# Altium PCB PCB_SAMARUC_7.PcbDoc (part 1 of 3) (continued)
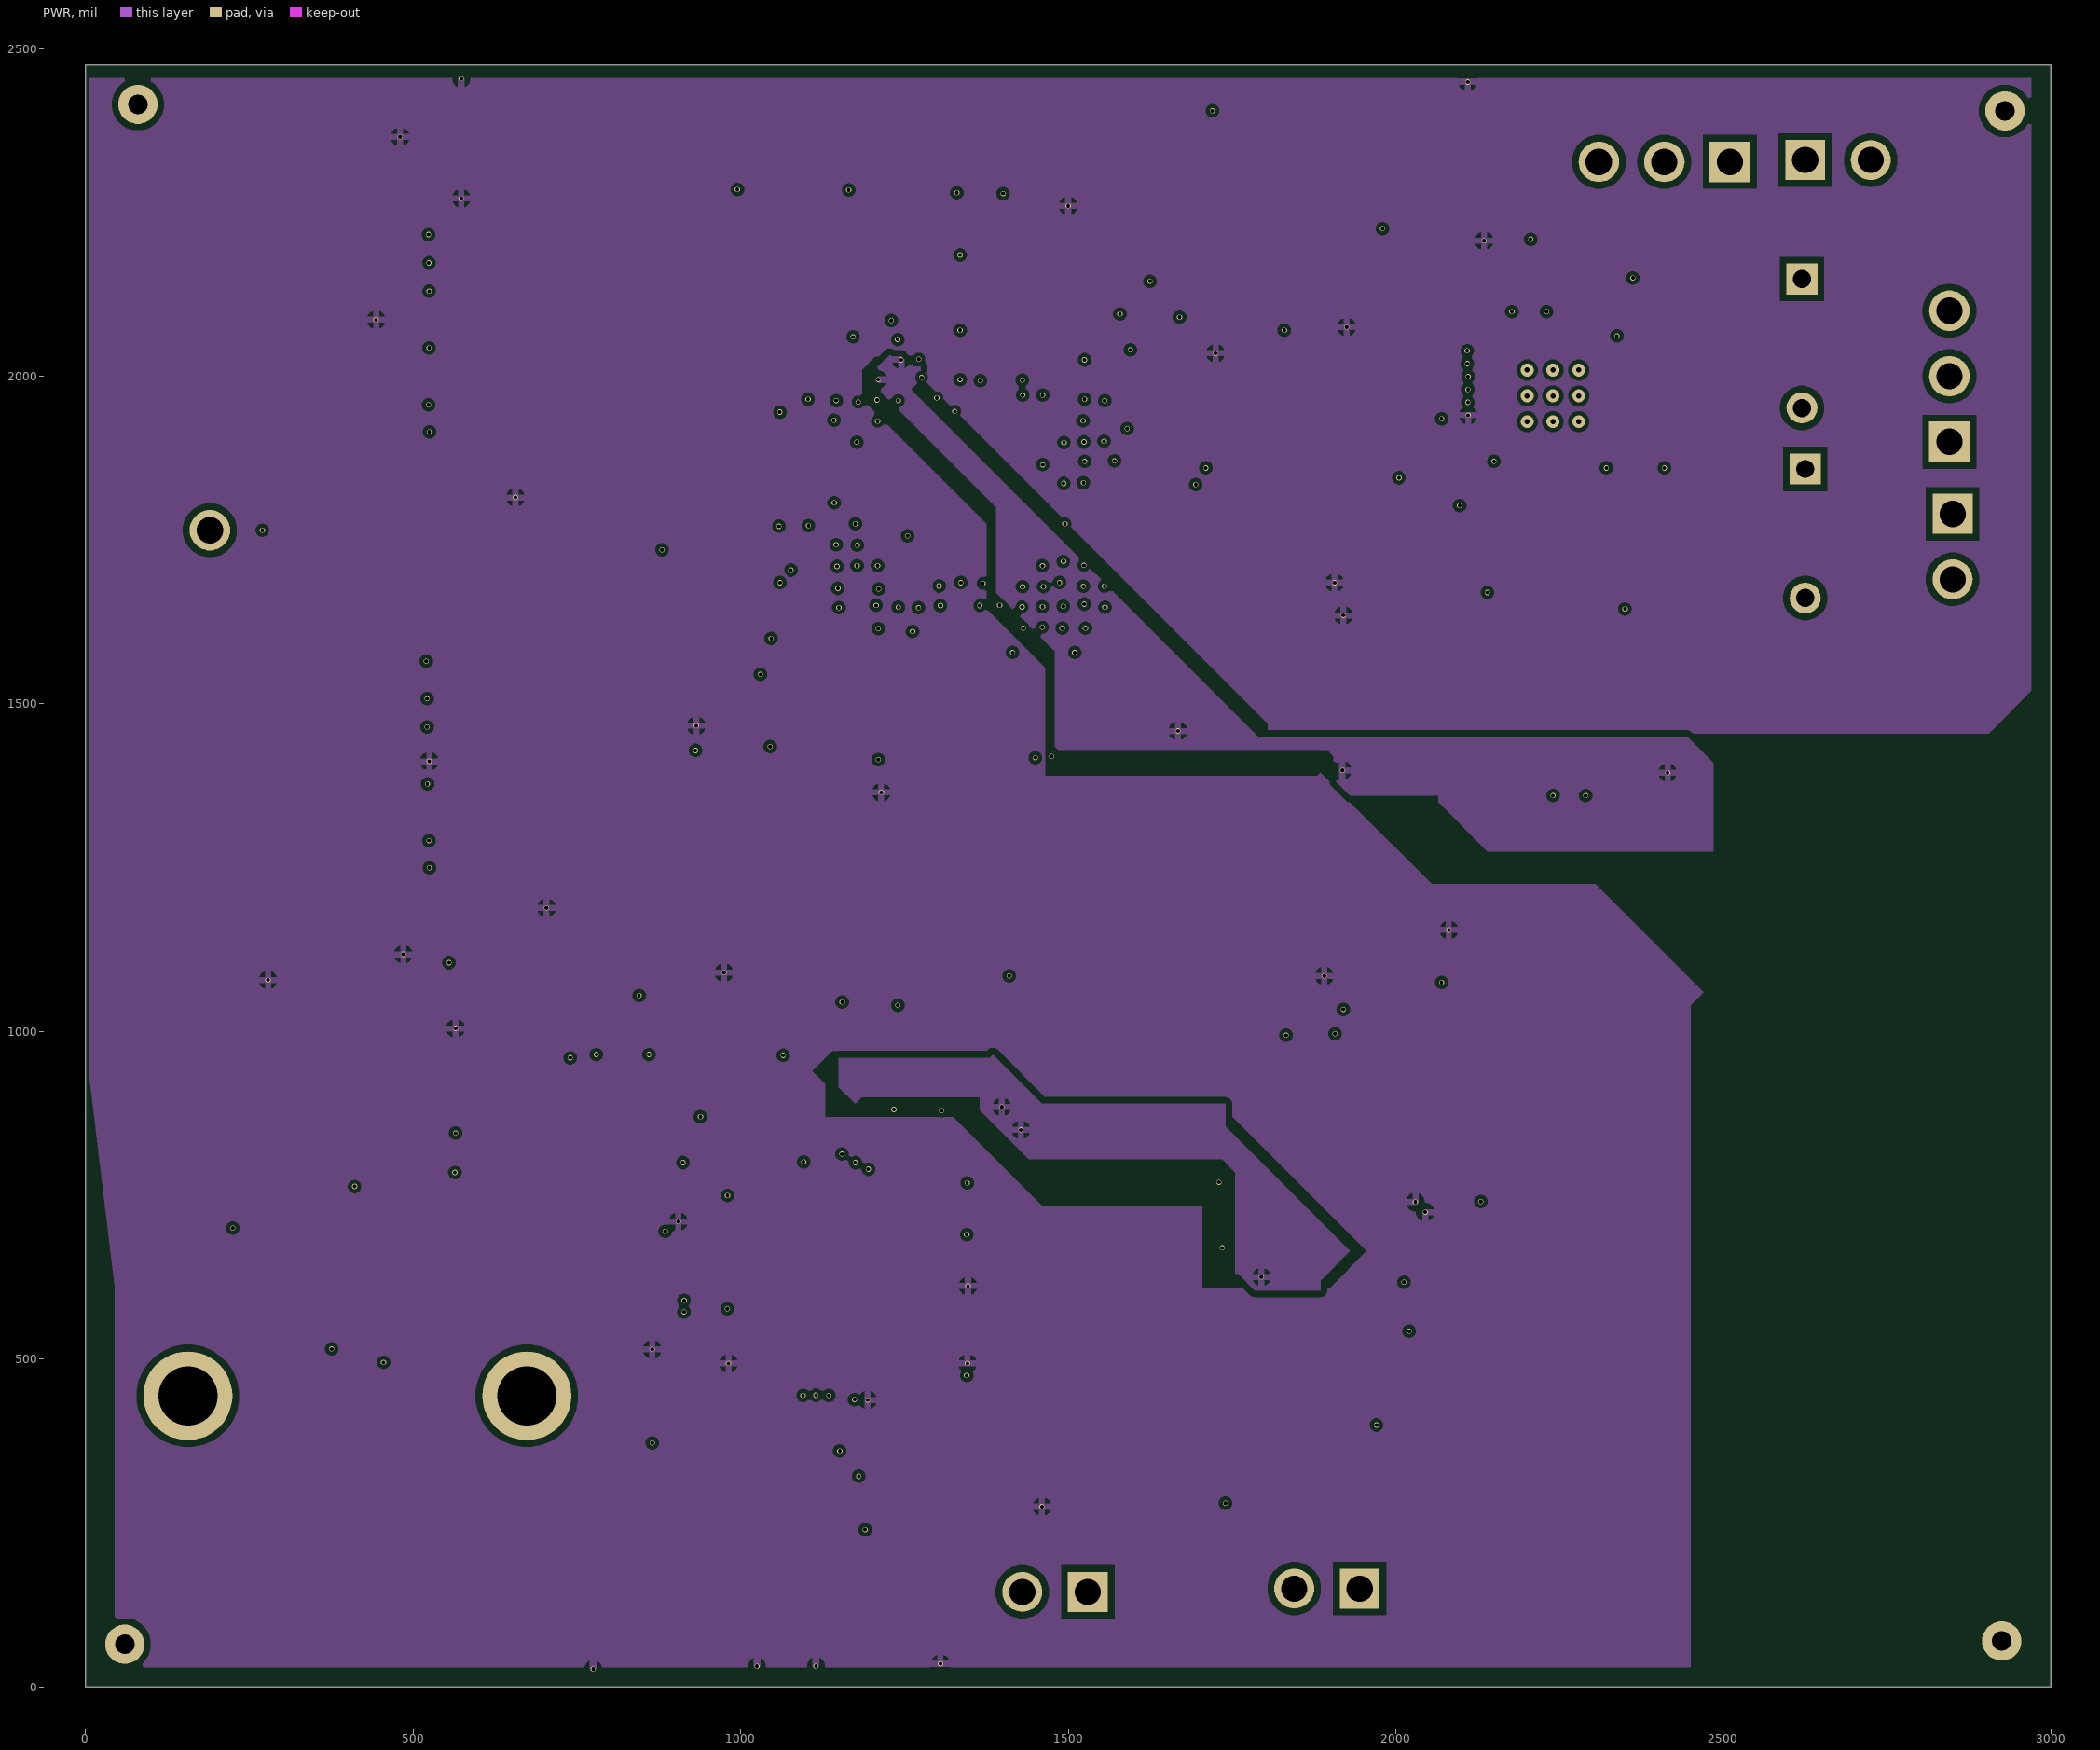
[diagram p3: PWR]
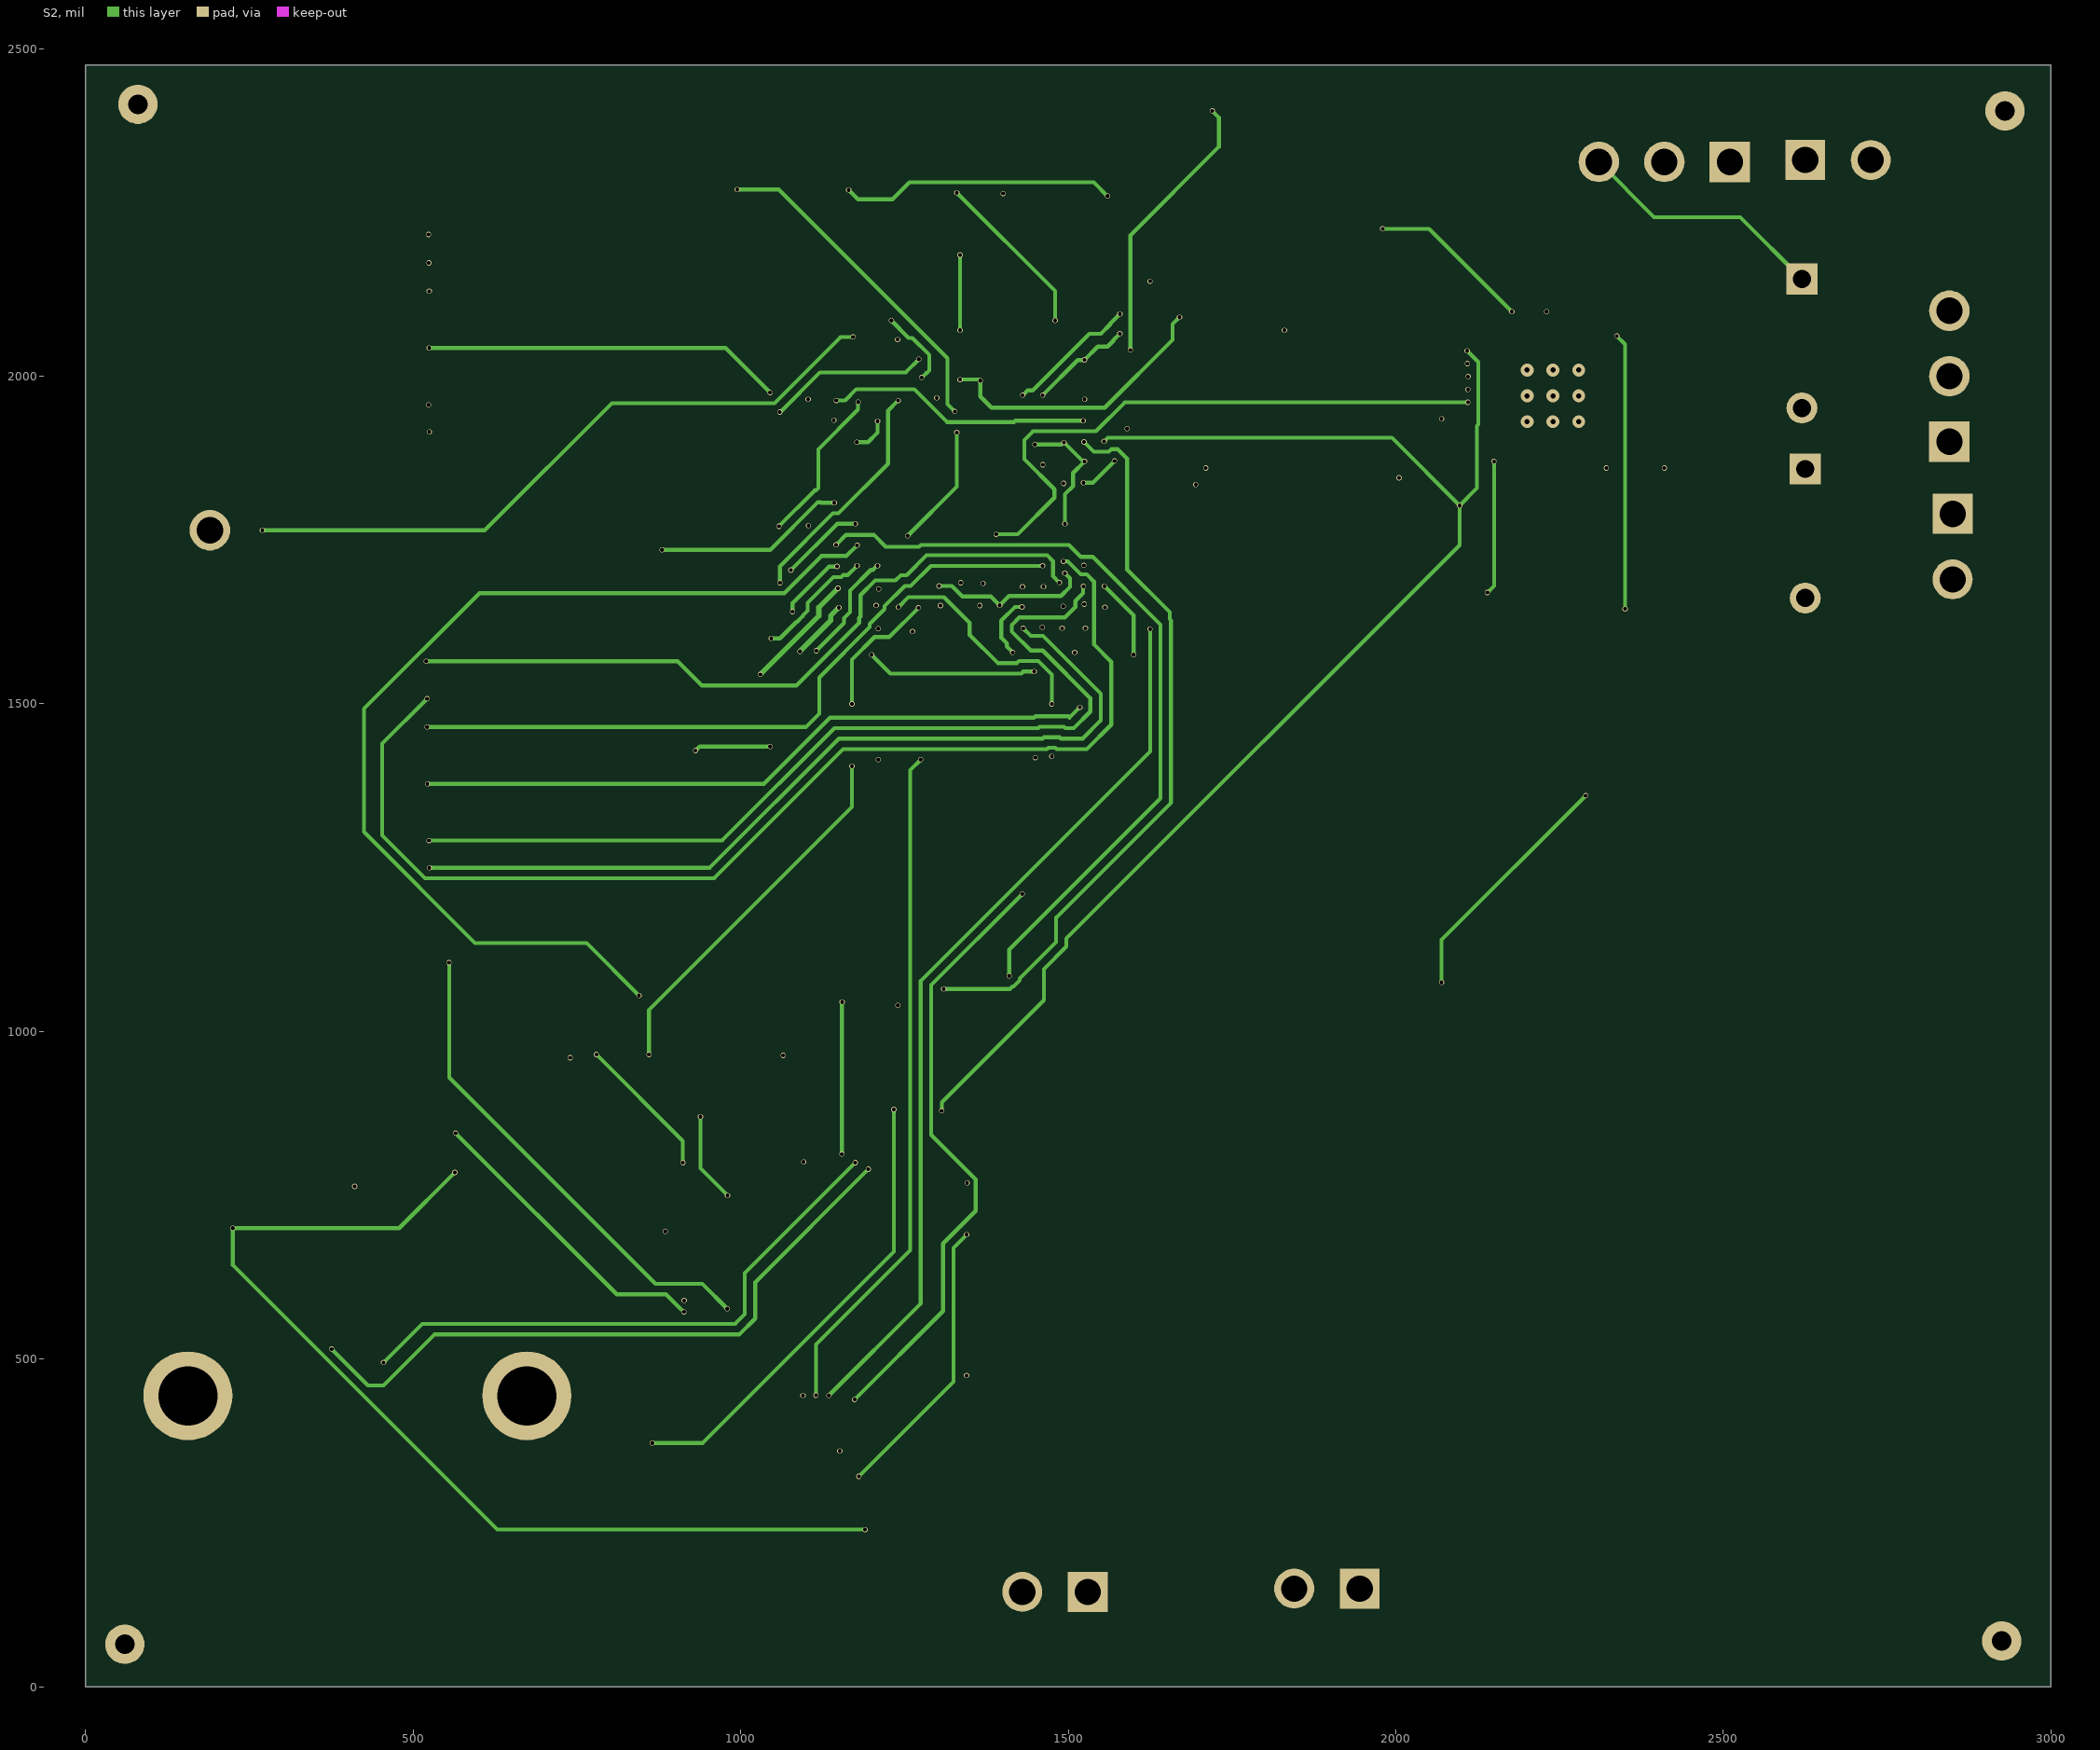
[diagram p4: S2]
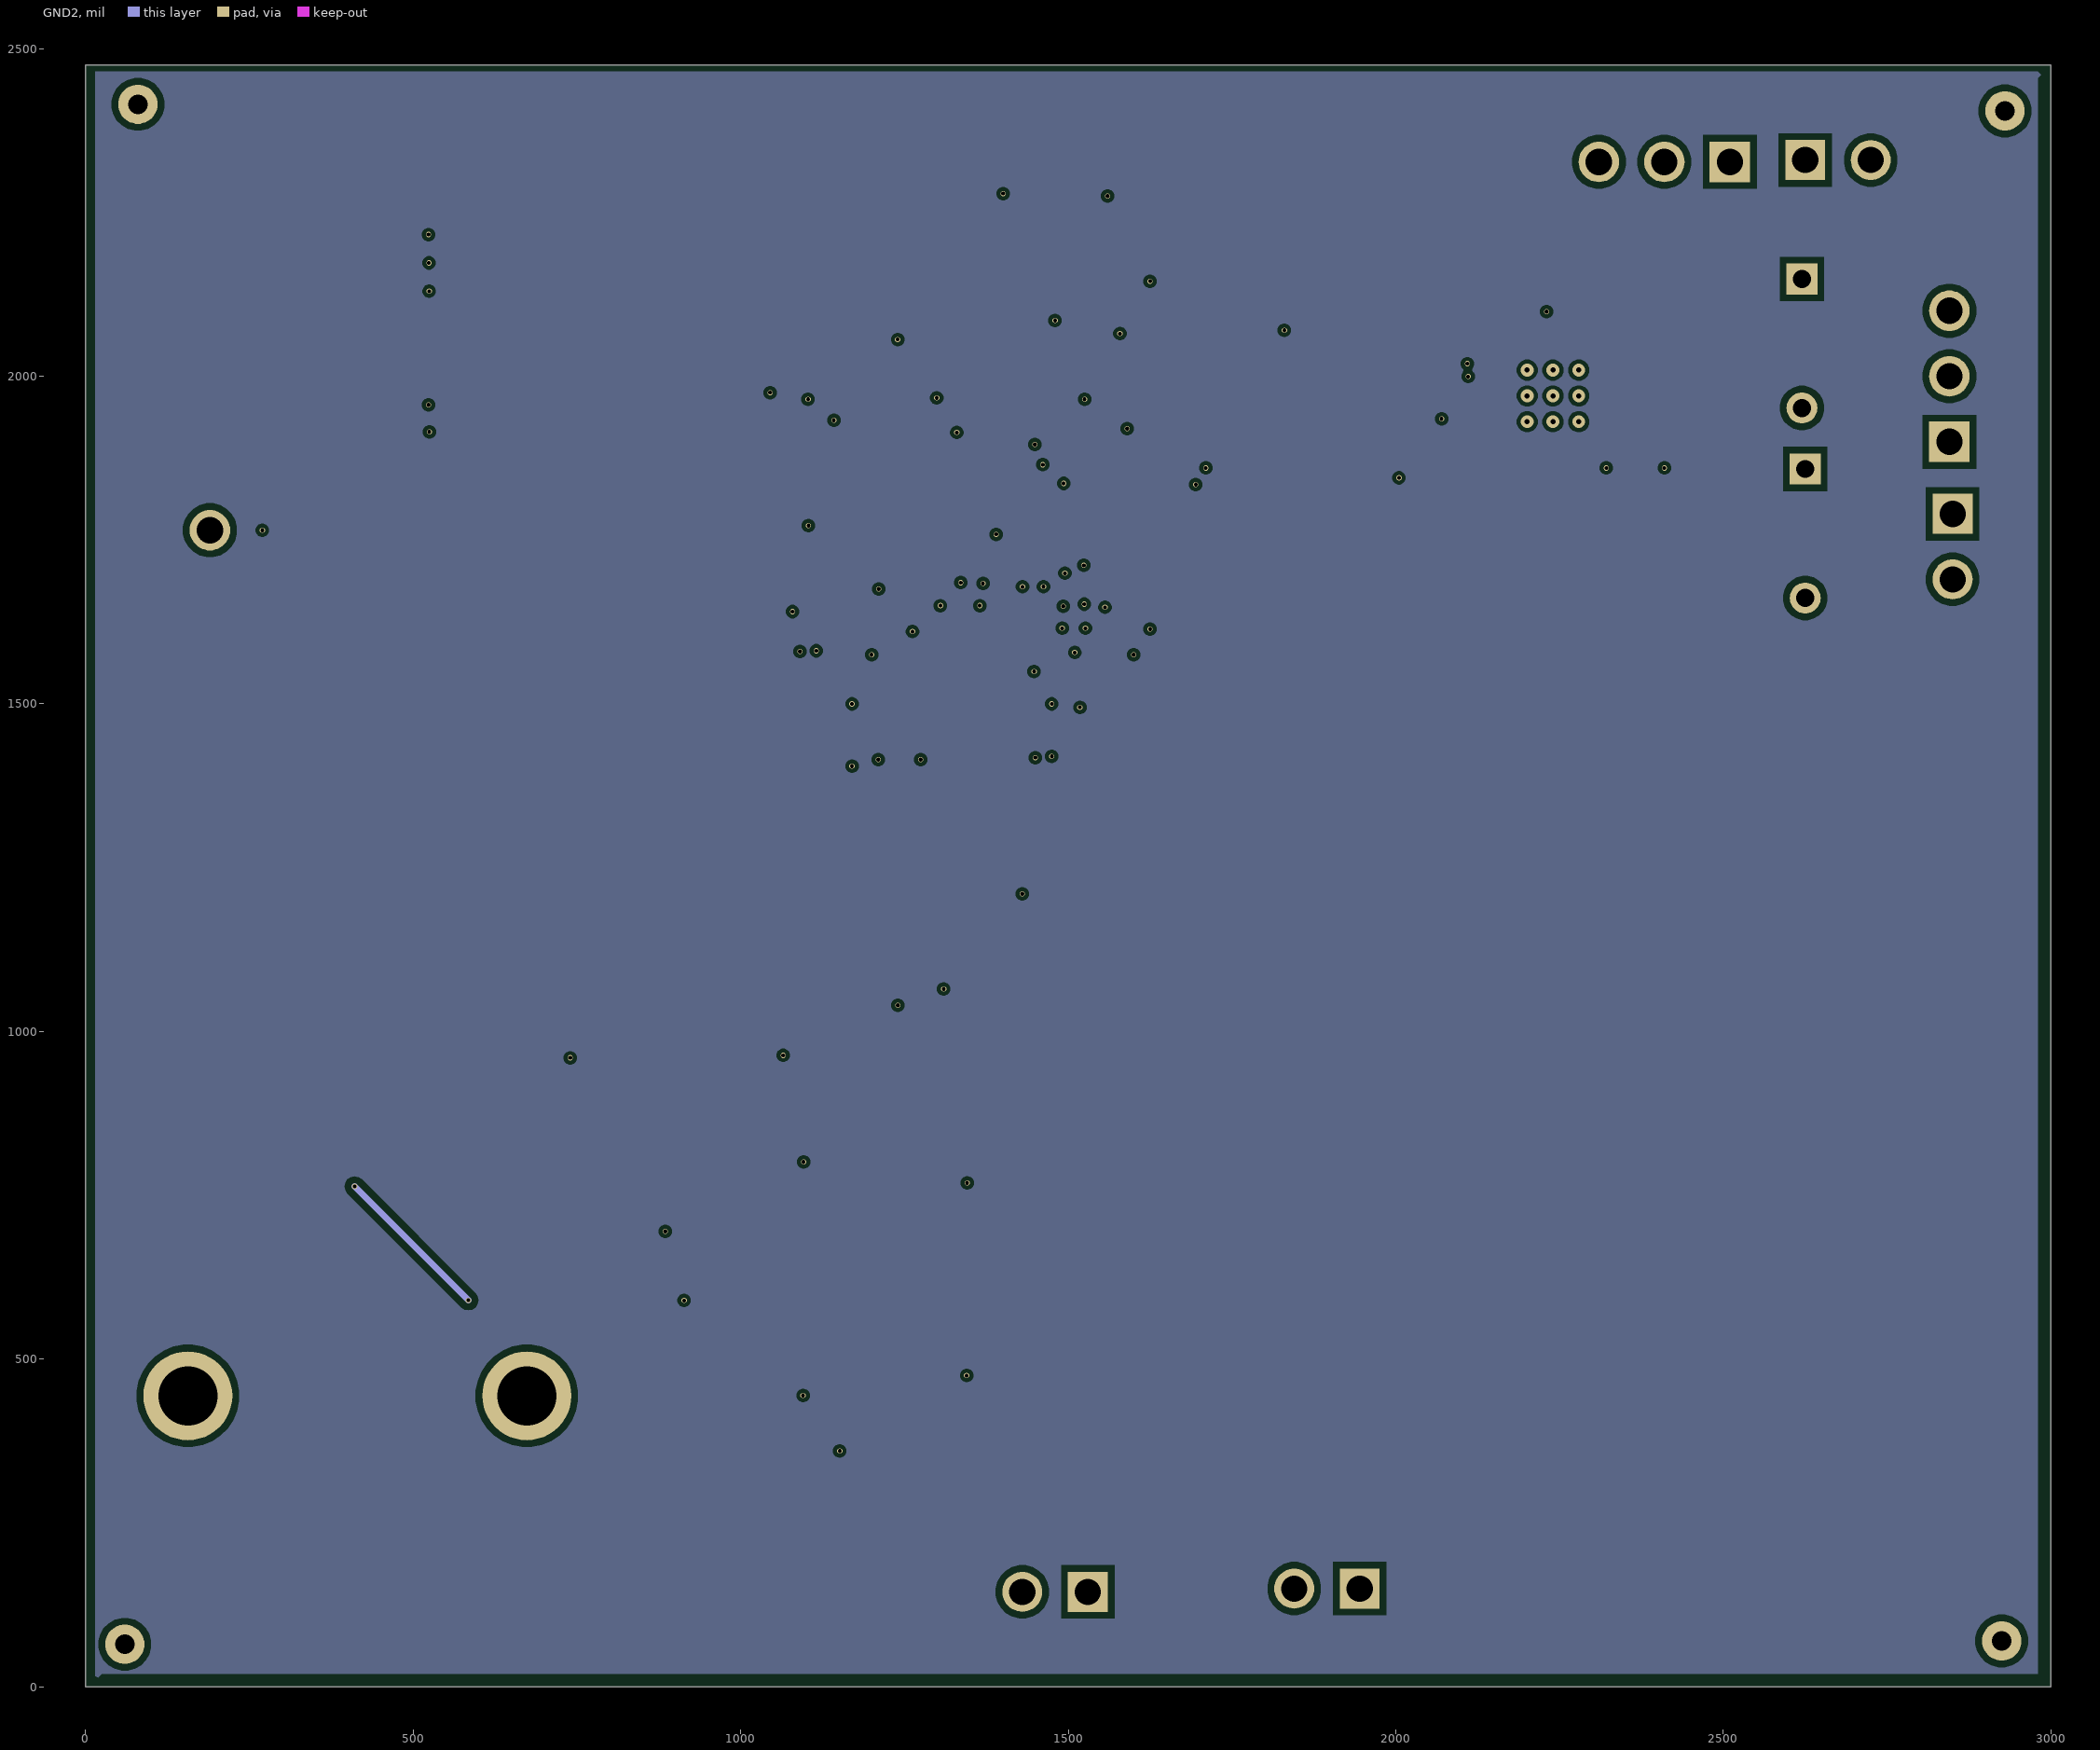
[diagram p5: GND2]

## Layer stack, top to bottom
Top Solder: solder mask 0.4, SM-001, Dk 4
Top (S1): signal copper 1.4
Dielectric 1: prepreg 8, PP-006, Dk 4.1
GND1: signal copper 1.378
Dielectric 2: core 15, Core-035, Dk 4.7
PWR: signal copper 1.378
Dielectric 3: prepreg 4, PP-006, Dk 4.1
Dielectric 4: prepreg 4, PP-006, Dk 4.1
S2: signal copper 1.378
Dielectric 5: core 15, Core-035, Dk 4.7
GND2: signal copper 1.378
Dielectric 6: prepreg 8, PP-006, Dk 4.1
Bottom (S3): signal copper 1.4
Bottom Solder: solder mask 0.4, SM-001, Dk 4

## Board outline
0,0 3000,0 3000,2475 0,2475

## Design rules (kind name [scope] priority, off if disabled: settings)
Clearance Clearance_BGA_via [IsVia] p1: gap=6 ignorepadtopadclearanceinfootprint=FALSE
Clearance Clearance_BGA [InComponent('IC1')] p2: gap=6 ignorepadtopadclearanceinfootprint=FALSE
Clearance Clearance_U9 [InComponent('U9')] p3: gap=7.8 ignorepadtopadclearanceinfootprint=FALSE
Clearance Clearance_XDS100 [InComponent('U7')] p4: gap=6 ignorepadtopadclearanceinfootprint=FALSE
Clearance Clearance_Codec [InComponent('U1')] p5: gap=8.5 ignorepadtopadclearanceinfootprint=FALSE
Clearance Clearance_SD [InComponent('SD1_U_uSD_Card2','SD1_U_uSD_Card1')] p6: gap=9.8 ignorepadtopadclearanceinfootprint=FALSE
Clearance Clearance_1 [All] p7: gap=10 ignorepadtopadclearanceinfootprint=FALSE except(0: Arc-Hole Track-Hole SMDPad-Hole THPad-Hole Via-Hole Fill-Hole Poly-Hole Region-Hole Text-Hole)
PlaneClearance [All] p1: clearance=6
PolygonConnect [All] p1: connectstyle=Relief reliefconductorwidth=10 reliefentries=4 polygonreliefangle="90 Angle" airgapwidth=10
RoomDefinition U_dsp_power [InComponentClass('U_dsp_power')] p1: confinementstyle=ConfineIn formatcopy=TRUE lockcomponents=FALSE outline 699.02,2357.74 699.02,2459.7 859.02,2459.7 859.02,2460.98 1305.98,2460.98 1305.98,2454.65 1725.98,2454.65 1725.98,2450.98 2245.98,2450.98 2245.98,2269.02 1960.98,2269.02 1960.98,2267.68 1915.98,2267.68 1915.98,1799.02 1910.98,1799.02 1910.98,1554.02 1750.98,1554.02 1750.98,1449.02 1415.98,1449.02 1415.98,869.02 1144.02,869.02 1144.02,1238.58 874.88,1238.58 874.88,1459.02 704.02,1459.02 704.02,1759.02 702.68,1759.02 702.68,2357.74
RoomDefinition U_Power [InComponentClass('U_Power')] p2: confinementstyle=ConfineIn formatcopy=TRUE lockcomponents=FALSE outline 1368.03,8.08 1368.03,287.92 1409.02,287.92 1409.02,455.98 1424.02,455.98 1424.02,982.32 1604.02,982.32 1604.02,985.98 1694.02,985.98 1792.09,985.98 1792.09,1012.28 1909.02,1012.28 1909.02,1375.98 1909.02,1530.98 2095.75,1530.98 2095.75,1671.65 2343.31,1671.65 2343.31,1360.12 2655.32,1360.12 2655.32,710.2 2197.68,710.2 2197.68,502.09 2185.98,502.09 2185.98,414.02 2035.51,414.02 2035.51,13.08 1620.51,13.08 1620.51,8.08
RoomDefinition U_XDS100_V2 [InComponentClass('U_XDS100_V2')] p3: confinementstyle=ConfineIn formatcopy=TRUE lockcomponents=FALSE outline 106.65,651.52 106.65,813.49 114.02,813.49 114.02,982.32 229.02,982.32 229.02,985.98 229.02,1080.98 395.28,1080.98 395.28,1134.94 734.02,1134.94 734.02,1150.98 1142.85,1150.98 1142.85,1218.49 1224.02,1218.49 1224.02,1219.65 1325.98,1219.65 1325.98,1210.99 1418.35,1210.99 1418.35,817.2 1734.68,817.2 1734.68,545.98 1750.98,545.98 1750.98,444.02 1416.3,444.02 1416.3,273.66 1384.93,273.66 1384.93,185.86 1355.98,185.86 1355.98,29.02 825.98,29.02 825.98,27.68 724.02,27.68 724.02,649.02 564.02,649.02 564.02,651.52
RoomDefinition U_clock_12MHz [InComponentClass('U_clock_12MHz')] p4: confinementstyle=ConfineIn formatcopy=TRUE lockcomponents=FALSE outline 985,1035 1170,1035 1170,1260 985,1260
RoomDefinition U_Codec [InComponentClass('U_Codec')] p5: confinementstyle=ConfineIn formatcopy=TRUE lockcomponents=FALSE outline 1914.45,1514.02 1914.45,2210.98 2096.42,2210.98 2096.42,2206.42 2235.55,2206.42 2235.55,2201.42 2355.55,2201.42 2355.55,2200.98 2535.98,2200.98 2535.98,2040.98 2540.98,2040.98 2540.98,1960.98 2540.98,1859.02 2525.98,1859.02 2525.98,1669.02 2525.98,1504.02 2344.02,1504.02 2344.02,1514.02
RoomDefinition SAMARUC [InComponentClass('SAMARUC')] p6: confinementstyle=ConfineIn formatcopy=TRUE lockcomponents=FALSE outline 119.17,1694.17 119.17,1835.83 2240.16,1835.83 2240.16,2477.8 2613.31,2477.8 2613.31,2466.92 2786.97,2466.92 2786.97,2169.84 2995.75,2169.84 2995.75,1796.69 2986.92,1796.69 2986.92,1628.03 2721.61,1628.03 2721.61,1620.08 2528.39,1620.08 2528.39,1694.17
RoomDefinition U_dsp_connection [InComponentClass('U_dsp_connection')] p7: confinementstyle=ConfineIn formatcopy=TRUE lockcomponents=FALSE outline 875.35,2069.02 875.35,2170.98 1049.02,2170.98 1049.02,2265.98 1124.02,2265.98 1225.98,2265.98 1225.98,2264.65 1305.98,2264.65 1305.98,2256.77 1393.31,2256.77 1393.31,2005.98 1680.98,2005.98 1680.98,1580.98 1910.98,1580.98 1910.98,1479.02 1665.98,1479.02 1665.98,1409.02 1570.98,1409.02 1570.98,1405.35 1140.91,1405.35 1140.91,1328.66 883.7,1328.66 883.7,1459.02 882.68,1459.02 882.68,1634.02 879.02,1634.02 879.02,2069.02
RoomDefinition U_uSD_Card1 [InComponentClass('U_uSD_Card1')] p8: confinementstyle=ConfineIn formatcopy=TRUE lockcomponents=FALSE outline 19.04,1808.72 719.04,1808.72 719.04,2463.72 19.04,2463.72
RoomDefinition U_uSD_Card2 [InComponentClass('U_uSD_Card2')] p9: confinementstyle=ConfineIn formatcopy=TRUE lockcomponents=FALSE outline 14.7,1133.72 719.7,1133.72 719.7,1803.72 14.7,1803.72
RoomDefinition U_SPI_Flash [InComponentClass('U_SPI_Flash')] p10: confinementstyle=ConfineIn formatcopy=TRUE lockcomponents=FALSE outline 1235.35,1314.02 1235.35,1415.98 1409.76,1415.98 1409.76,1437.52 1900.24,1437.52 1900.24,1285.98 2090.98,1285.98 2090.98,1184.02 1900.24,1184.02 1900.24,981.69 1409.76,981.69 1409.76,1229.02 1239.02,1229.02 1239.02,1314.02
RoutingVias [All] p1: holewidth=6 width=8 viastyle="Through Hole" minholewidth=4 minwidth=6 maxholewidth=8 maxwidth=10 viatemplateguid#1={F22638EE-940E-4C88-8216-6500FDC7E17B} viatemplateguid#2={5C56720C-61C8-4260-BDDD-21D511600613} viatemplatename#1=v50h20 viatemplatename#2=v127h71
SolderMaskExpansion [All] p1: expansion=4 istentingtop=FALSE
Width Width_BGA [InComponent('IC1')] p1: maxlimit=10 minlimit=6 preferedwidth=6 midlayer3_minwidth=10 midlayer3_prefwidth=10 midlayer4_minwidth=10 midlayer4_prefwidth=10 minimp=50.000000 maximp=50.000000 favimp=50.000000
Width Width_1 [All] p2: maxlimit=10 minlimit=6 preferedwidth=10 midlayer3_minwidth=10 midlayer4_minwidth=10 minimp=50.000000 maximp=50.000000 favimp=50.000000
29 further rules are at their usual default settings.

## Classes and differential pairs
channel class uSD_Card: U_uSD_Card1 U_uSD_Card2
component class U_XDS100_V2: C85 C86 C87 C88 C89 C90 C91 C92 C93 C94 C95 C96 C97 C98 C99 C100 C101 C102 C103 D3 D4 FB9 FB10 FB11 R36 R37 R38 R39 R40 R41 R42 R43 R44 R45 R46 R47 R48 R49 R50 R51 R52 U8 U10
component class U_uSD_Card2: C12_U_uSD_Card2 C13_U_uSD_Card2 R11_U_uSD_Card2 R12_U_uSD_Card2 R13_U_uSD_Card2 R14_U_uSD_Card2 R15_U_uSD_Card2 R16_U_uSD_Card2 SD1_U_uSD_Card2
component class U_uSD_Card1: C12_U_uSD_Card1 C13_U_uSD_Card1 R11_U_uSD_Card1 R12_U_uSD_Card1 R13_U_uSD_Card1 R14_U_uSD_Card1 R15_U_uSD_Card1 R16_U_uSD_Card1 SD1_U_uSD_Card1
component class U_SPI_Flash: C11 R9 R10
component class U_Power: C14 C15 C16 C17 C18 C19 C20 C21 C22 C23 C24 C25 C26 C27 C28 C29 D1 L1 L2 P1 P2 R17 R18 R19 R20 R21 R22 R23 R24 U3 U4 U5 U6
component class U_dsp_power: C40 C41 C42 C43 C44 C45 C46 C47 C48 C49 C50 C51 C52 C53 C54 C55 C56 C57 C58 C59 C60 C61 C62 C63 C64 C65 C66 C67 C68 C69 C70 C71 C72 C73 C74 C75 C76 C77 C78 C79 C80 C81 C82 C83 FB4 FB5 FB6 FB7 FB8
component class U_dsp_connection: C32 C33 C34 C35 C36 C37 C38 C39 D2 FB3 R25 R26 R27 R28 R29 R30 R31 R32 R33 R34 R35 Y1
component class U_Codec: C1 C2 C3 C4 C5 C6 C7 C8 C9 C10 FB1 FB2 R1 R2 R3 R4 R5 R6 R7 R8 U1
component class U_clock_12MHz: C84 Y2
component class SAMARUC: C30 C31 J1 J2 J3 P3 P4
